# Altium PCB D车.PcbDoc (continued)
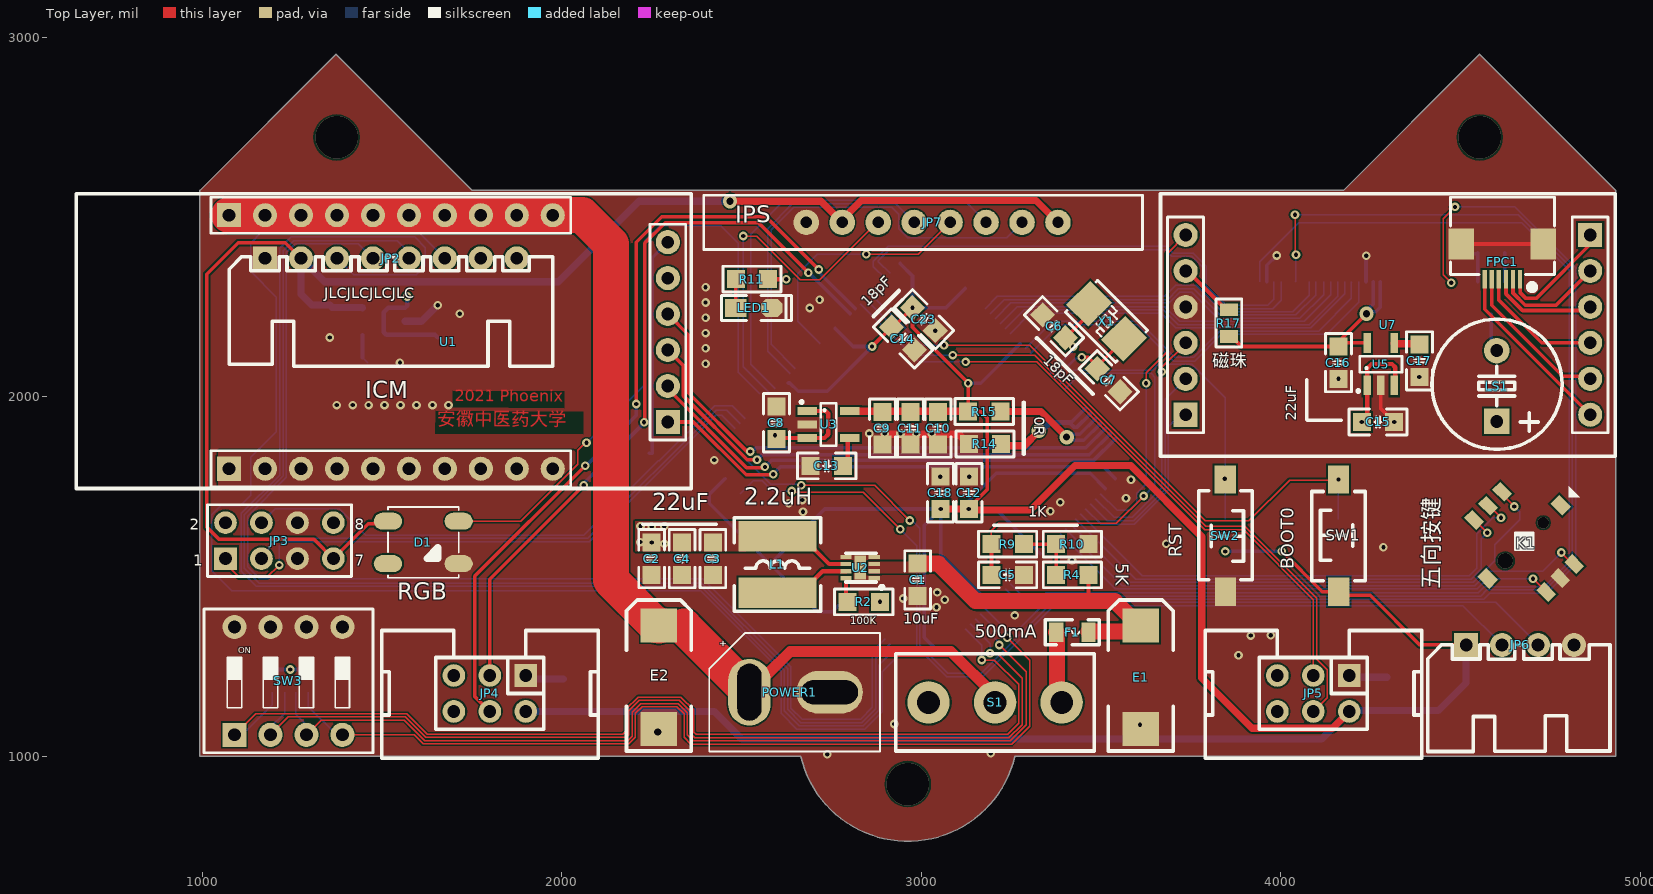
[diagram p0: Top Layer view]
## Part data
C1 C2 C3 C4 C5 C6 C7 C8 C9 C10 C11 C12 C13 C14 C15 C16 C17 C18 C19 C20 C21 C22 C23 C24: library part C, "贴片电容"
E1 E2: library part CT, "贴片钽电容"
F1: library part FU, "贴片保险丝"
JP2 JP7: library part "Header 8", "8P接插件"
  JP7: BOM名称=8P接, 学习资源=https://shop463601444.taobao., 版权归属=封装库来自淘
JP3: "4*2P接插件"
JP4 JP5: library part ENCODER
JP6: library part "Header 4", "4P接插件"
K1: "方向开关"
L1: library part L-SMD, "CD系列贴片线绕功率电感"
LED1: library part LED-SMD, "贴片LED"
LS1: library part BEEP, "蜂鸣器"
POWER1: library part T槽
Q1: library part 8050-SMD, "高频放大-NPN型"
R1 R3 R5 R6 R7 R8 R14 R15: library part RES, =0R
R2 R4 R9 R10 R11: "Resistor"
R12 R13 R17: library part R, "贴片电阻"
R16: library part R-8P4R, "贴片排阻"
S1: library part SSW-1P, "1路波动开关"
SW1 SW2: library part "TSW 3x6", "3x6轻触开关"
SW3: "4路编码开关"
U2: Manufacturer Name="Texas Instruments", Manufacturer Part Number=TPS62163DSGR, PackageReference=TPS62163DSGR
U4: "灵动的MM32F3277"
X1: library part XTAL-2P, "2脚无源脚晶振"
D1: PackageReference=RGB_LED_5050, Published=8-August-2017, Publisher=mazhongwei

## Via types
v1: diameter 24, hole 12, Top Layer to Bottom Layer, tented both sides, 116 vias
v2: diameter 40, hole 20, Top Layer to Bottom Layer, tented both sides, 5 vias
v3: diameter 118.11, hole 118.11, Top Layer to Bottom Layer, 3 vias
v4: diameter 43.31, hole 43.31, Top Layer to Bottom Layer, 1 vias
v5: diameter 31.5, hole 31.5, Top Layer to Bottom Layer, 1 vias

## Nets (pads, with @x,y where several pads share a name; then routed paths per layer and width w, separated by ;. In a path a pad name is that pad's centre, name@x,y a point inside that pad or via, vN(x,y) a via of type N, cw(c..) or ccw(c..) an arc to the next point about the centre after c; other vN are vias at no path point)
5V: C2.2 C3.2 C4.2 C8.2 C15.2 C19.2 L1.2 LS1.1 R2.1 R11.2 R16.5 R16.6 R16.7 R16.8 U1.5 U2.6 U3.1 U3.3 U5.1 U5.3 U6.1 U6.3 | length 1251.4
  Top Layer w12: R11.2 v1(2624.75,2327) ; v1(2593,1893) 2593,1892.2 2599.6,1885.6 U3.3 2730.6,1885.6 2741,1896 2741,1953.37 2733.97,1960.4 U3.1 ; L1.2 2665.94,1612.48 2743.58,1534.84 U2.6 ; v1(4225,1930) 4240.2,1945.2 U5.1 4240.2,2079.2 4252,2091 4309,2091 4318,2082 4318,2034.89 U5.3
  Bottom Layer w12: R16.5 R16.6 R16.7 R16.8 ; v1(1570,2279) 1570,2253.35 U6.1 1517.4,2247.4 1505,2235 1505,2179.63 1512.03,2172.6 U6.3 1647.4,2172.6 C19.2
  other v1: 1245,1241.5 2885,1430 2285,1591 2250,1595 2218,1596 2250,1639 2219,1640 2285,1640
ADC_IN1: U4.40 U7.1 | length 930.3
  Top Layer w4: v1(3625,2038) 3625,2067 3682,2124 3682,2397 U7.1
  Bottom Layer w4: U4.40 3544.66,1684 3578,1684 3599,1705 3599,1731.87 3625,1757.87 v1(3625,2038)
ADC_IN2: U4.41 U7.4 | length 674.6
  Top Layer w4: v1(3669,2070) 3669,2082 3735,2148 U7.4
  Bottom Layer w4: U4.41 3535.82,1665 3587,1665 3669,1747 v1(3669,2070) ; U7.4@3735,2146 U7.4
ADC_IN3: U4.42 U7.5 | length 593.7
  Bottom Layer w4: U4.42 3516.99,1656 3590.73,1656 3678,1743.27 3678,1993 U7.5
ADC_IN4: U4.43 U7.6 | length 527.2
  Bottom Layer w4: U4.43 3500.15,1645 3592.46,1645 3687,1739.54 3687,1917 3720,1950 U7.6
BOOT0: R1.1 SW1.2 U4.138 | length 1733.9
  Top Layer w4: v1(3063,2143) 3301,2143 3789,1655 3911,1655 4024,1768 4152.16,1768 4160,1760.16 v1(4160,1770)
  Bottom Layer w4: U4.138 3002.15,2143 v1(3063,2143) ; R1.1 v1(4160,1770)
Buzz: R12.2 U4.63 | length 3215
  Top Layer w4: v1(4474,2317) 4451,2340 4451,2495 v1(4484,2528)
  Bottom Layer w4: U4.63 3235.37,1353 3271,1353 3301.5,1383.5 3355,1437 4564,1437 4581,1454 4739.46,1454 4819.54,1534.08 4819.54,2358.92 4650.46,2528 v1(4484,2528) v1@4477,2521
Code1: R16.4 SW3.1 U4.67 | length 2927
  Top Layer w4: SW3.1 1149,1119 1569,1119 1626,1062 2169.69,1062 2177.69,1070 2177.69,1130.5 2212.19,1165 2331.18,1165 2367,1129.18 2367,1067.46 2373.46,1061 3239.82,1061 3271.06,1092.24 3271.06,1199.94 3203,1268 v1(3168,1268)
  Bottom Layer w4: SW3.1 1100.5,1049.5 1194.61,1143.61 R16.4 ; U4.67 3168,1309.01 v1(3168,1268)
Code2: R16.3 SW3.2 U4.66 | length 2796.6
  Top Layer w4: SW3.2 1240,1110 1565.27,1110 1622.27,1053 2179.27,1053 2186.69,1060.42 2186.69,1126.77 2215.92,1156 2327.46,1156 2358,1125.46 2358,1063.73 2369.73,1052 3243.54,1052 3280.06,1088.51 3280.06,1217.94 3211,1287 v1(3191,1287)
  Bottom Layer w4: SW3.2 1190,1081 1229.25,1120.25 R16.3 ; U4.66 3191,1313.85 v1(3191,1287)
Code3: R16.2 SW3.3 U4.65 | length 2706.3
  Top Layer w4: SW3.3 1331,1101 1561.54,1101 1618.54,1044 2183,1044 2195.69,1056.69 2195.69,1123.04 2219.65,1147 2323.73,1147 2349,1121.73 2349,1060 2366,1043 3247.27,1043 3292,1087.73 3292,1234.85 v1(3217,1309.85)
  Bottom Layer w4: R16.2 1260.75,1117.25 1290,1088 SW3.3 ; U4.65 3217,1315.69 v1(3217,1309.85)
Code4: R16.1 SW3.4 U4.64 | length 2646.3
  Top Layer w4: SW3.4 1589.82,1060 1614.82,1035 2187,1035 2204.69,1052.69 2204.69,1119.31 2223.38,1138 2320,1138 2340,1118 2340,1053 2359,1034 3251,1034 3301,1084 3301,1268 v1(3239,1330)
  Bottom Layer w4: R16.1 1295.39,1138.61 1374,1060 SW3.4 ; U4.64 3230.53,1330 v1(3239,1330)
D0: JP1.8 U4.10 | length 1014.8
  Bottom Layer w4: U4.10 3211.37,2279 3677,2279 3707.54,2309.54 3764.46,2309.54 3837.46,2236.54 4033.54,2236.54 4079.05,2282.05 JP1.8
D1: JP1.9 U4.11 | length 1024.3
  Bottom Layer w4: U4.11 3230.21,2270 3685.05,2270 3715.05,2300 3758,2300 3830.46,2227.54 4041.54,2227.54 4097,2283 4097,2318.26 JP1.9
D2: JP1.10 U4.12 | length 1035.5
  Bottom Layer w4: U4.12 3249.05,2261 3688.77,2261 3718.24,2290.46 3751.76,2290.46 3823.69,2218.54 4052.54,2218.54 4118.42,2284.42 JP1.10
D3: JP1.11 U4.13 | length 1022.6
  Bottom Layer w4: U4.13 3266.89,2251 3676.77,2251 3718.24,2209.54 4064.54,2209.54 4138.11,2283.11 JP1.11
D4: JP1.12 U4.14 | length 1036.1
  Bottom Layer w4: U4.14 3285.72,2242 3673.05,2242 3714.51,2200.54 4078.54,2200.54 4157.79,2279.79 JP1.12
D5: JP1.13 U4.15 | length 1042.7
  Bottom Layer w4: U4.15 3303.56,2232 3667,2232 3707.46,2191.54 4082.26,2191.54 4177.48,2286.75 JP1.13
D6: JP1.14 U4.18 | length 1094.4
  Bottom Layer w4: U4.18 3365.08,2210 3604,2210 3704.46,2109.54 3757.54,2109.54 3830.54,2182.54 4104.54,2182.54 4196,2274 4196,2318.84 JP1.14
D7: JP1.15 U4.19 | length 1114.1
  Bottom Layer w4: U4.19 3383.92,2201 3600.27,2201 3701.81,2099.46 3760.19,2099.46 3834.26,2173.54 4127.54,2173.54 4216.85,2262.85 JP1.15
Direction1: JP4.5 U4.135 | length 2254.4
  Top Layer w10: JP4.5 1758.5,1166.5 1758.5,1501.5 v1(2065,1808) ; v1(2207,1980) 2207,2430 2278,2501 2568,2501 v1(2715,2354)
  Bottom Layer w10: v1@2068,1809 2207,1948 v1(2207,1980) ; v1(2715,2354) 2717.68,2351.32 2717.68,2343.95 U4.135
Direction2: JP5.5 U4.137 | length 1943.2
  Top Layer w4: v1(3087,2116) 3315,2116 3791,1640 3898.73,1640 4099,1439.73 4099,1270.44 4128.5,1240.95 4128.5,1163.5 JP5.5
  Bottom Layer w4: U4.137 3001.31,2116 v1(3087,2116)
DVCC: C1.2 E1.1 F1.2 R4.2 U2.2 U2.3 | length 923.5
  Top Layer w10: 3453,1432 3465,1444 R4.2
  Top Layer w45: C1.2 3047,1536 3151,1432 3453,1432 3537.76,1432 3606.06,1363.7 E1.1 3593.8,1347.5 3465,1347.5 F1.2
Encoder_Count1: JP4.2 U4.134 | length 2070.9
  Top Layer w10: JP4.2 1800,1493 v1(2061,1754) ; v1(2229,1929) 2231,1931 2231,2427.47 2287.53,2484 2547,2484 v1(2686,2345)
  Bottom Layer w10: v1@2064,1762 2229,1927 v1(2229,1929) ; v1(2686,2345) 2687.77,2345 2801.19,2231.57 U4.134
Encoder_Count2: JP5.2 U4.136 | length 1812
  Top Layer w4: v1(3123,2097) 3321.27,2097 3788.27,1630 3896,1630 4090,1436 JP5.2
  Bottom Layer w4: U4.136 2992.47,2097 v1(3123,2097)
GND: C1.1 C2.1 C3.1 C4.1 C5.1 C6.1 C7.1 C8.1 C9.1 C10.1 C11.1 C12.1 C13.1 C14.2 C15.1 C16.1 C17.1 C18.1 C19.1 C20.1 C21.1 C22.1 C23.1 C24.1 D1.1 E1.2 E2.2 FPC1.0 JP1.0 JP1.2 JP1.7 JP1.16 JP2.1 JP3.5 JP3.6 JP4.1 JP5.1 JP6.4 JP7.1 K1.5 LED1.2 POWER1.2 Q1.2 R1.2 R5.2 R6.2 R7.2 R8.2 R10.1 R13.1 R14.2 SW2.2 SW3.5 SW3.6 SW3.7 SW3.8 U2.1 U2.4 U2.5 U2.9 U3.2 U4.16 U4.38 U4.51 U4.61 U4.71 U4.83 U4.94 U4.107 U4.120 U4.130 U4.143 U5.2 U6.2 U7.3 | length 1156.5
  Top Layer w10: U5.2 4277.6,1967.4 v1(4315,1930) ; FPC1.0@4501.65,2425 FPC1.0@4730,2425
  Top Layer w20: v1@2895,1896 3104,1896 3131.5,1868.5 R14.2
  Bottom Layer w10: JP1.2 3960.94,2365.94 v1(3988,2393) ; JP1.16 4236.53,2391.53 v1(4237,2392) ; Q1.2 R13.1
  Bottom Layer w20: U6.2 1610,2210 v1(1655,2255) ; JP4.1 1910,1215 C21.1 ; JP5.1 4195,1220 C24.1
  other v1: 2738,1006 3193,1009 3608,1088 2925,1090 3882,1281 3916,1336 3972,1337 3260,1392 3042,1415 3065,1436 2950,1439 3044,1456 3419,1545 4285,1582 3681,1591 2671,1680 3359,1682 2631,1704 3386,1707 2669,1713 3569,1718 3583,1769 3053,1778 3133,1778 2424,1824 2855,1898 2898.5,1898 2942,1898 2985.5,1898 3029,1898 1374,1977 1418.43,1977 1462.86,1977 1507.29,1977 1551.71,1977 1596.14,1977 1640.57,1977 1685,1977 4160,2050 4385,2055 2400,2092 1550,2095 2400,2134.6 1355,2165 2400,2177.2 3039,2184 2400,2219.8 1716,2231 2690,2247 2400,2262.4 2717,2270 2400,2305
  other v2: 2267,1068
ICM_CS: JP2.6 U4.73 | length 3947.5
  Bottom Layer w4: JP2.6 1602,2458 1165,2458 1134.54,2427.54 1134.54,2348.64 1206.46,2276.71 1206.46,1903.46 1134.54,1831.54 1134.54,1725.54 1106,1697 1052,1697 1026.5,1671.5 1026.5,1515.6 1081.84,1460.27 2386.13,1460.27 2610,1236.4 2610,1120 2654,1076 2842.18,1076 2891,1124.82 2891,1234.82 U4.73
ICM_SCL: JP2.3 U4.74 | length 3924.7
  Bottom Layer w4: JP2.3 1421,2339 1595,2339 1621,2365 1621,2415 1591,2445 1248,2445 1215.46,2412.46 1215.46,1782.46 1108.5,1675.5 1108.5,1514.5 1150,1473 2386.13,1473 2619,1240.13 2619,1127 2661,1085 2838.46,1085 2882,1128.54 2882,1253.66 U4.74
ICM_SDI: JP2.4 U4.76 | length 3385.9
  Bottom Layer w4: JP2.4 1434.54,2425.46 1258.24,2425.46 1234.54,2401.76 1234.54,1776.08 1126.5,1668.05 1126.5,1527.5 1160,1494 2392,1494 2637,1249 2637,1134.46 2668.46,1103 2831,1103 2864,1136 2864,1291.34 U4.76
ICM_SDO: JP2.5 U4.75 | length 3531.6
  Bottom Layer w4: JP2.5 1575,2402 1542.54,2434.46 1254.51,2434.46 1225.54,2405.49 1225.54,1779.81 1117.5,1671.78 1117.5,1523.77 1159.27,1482 2389.86,1482 2628,1243.86 2628,1130.73 2664.73,1094 2834.73,1094 2873,1132.27 2873,1272.5 U4.75
key1: K1.2 U4.44 | length 1413.4
  Top Layer w4: K1.2 4579.2,1696.8 v1(4612,1664)
  Bottom Layer w4: U4.44 3614.31,1503 4524,1503 4544,1523 4544,1618.87 4589.13,1664 v1(4612,1664)
key2: K1.3 U4.45 | length 1369.5
  Top Layer w4: K1.3 4538.18,1657.82 v1(4574,1622)
  Bottom Layer w4: U4.45 3596.39,1493.08 4528.92,1493.08 4557,1521.16 4557,1605 v1(4574,1622)
key3: K1.4 U4.48 | length 1441.6
  Top Layer w4: v1(4701,1494) 4737.82,1457.18 K1.4
  Bottom Layer w4: U4.48 3539.87,1466.08 4546.08,1466.08 4574,1494 v1(4701,1494)
key4: K1.6 U4.47 | length 1532
  Top Layer w4: v1(4780,1567) 4812.05,1534.95 K1.6
  Bottom Layer w4: U4.47 3558.71,1475.08 4538.81,1475.08 4578.79,1515.06 4728.06,1515.06 v1(4780,1567)
key5: K1.1 U4.46 | length 1513.5
  Top Layer w4: K1.1 4614.95,1729.05 v1(4649,1695)
  Bottom Layer w4: U4.46 3577.55,1484.08 4535.08,1484.08 4595.06,1544.06 4595.06,1589.06 4664,1658 4664,1680 v1(4649,1695)
M3V3: C9.2 C10.2 C11.2 C12.2 C14.1 C18.2 C21.2 C23.2 C24.2 JP4.6 JP5.6 JP6.1 R3.1 R15.2 SW1.1 U3.5 U4.6 U4.17 U4.39 U4.52 U4.62 U4.72 U4.84 U4.95 U4.108 U4.121 U4.131 U4.144 | length 10026.7
  Top Layer w10: v1(2863,2140) 2916.82,2193.82 C14.1 2921.54,2193.82 v1(2975.36,2247.64) 2975.36,2193.64 3130,2039 R15.2 3165,1959 3183,1941 3183,1742 C12.2@3140,1699 ; C12.2 C12.2@3136,1685 ; v1(4002,1571) 4115.31,1457.69 SW1.1 4160.79,1447.84 4248.16,1447.84 4386,1310 JP6.1
  Top Layer w20: U3.5 2801.76,1959.7 3129.3,1959.7 R15.2 ; C18.2@3053,1687 v1(3054,1688) C12.2 ; C12.2@3136,1685 3303.28,1685 3427,1808.72 3582.28,1808.72 3780,1611 3780,1218 3919.5,1078.5 4143.5,1078.5 JP5.6
  Bottom Layer w10: U4.108 2410,1728.18 2410,1704 2581,1533 ; U4.121@2629.47,2038.47 2634,2038.47 2657.47,2015 2738,2015 v1(2863,2140) 2810.27,2140 U4.131 ; U4.84 2751.95,1402 2712,1402 2581,1533 ; U4.144 2941.41,2369.75 2975.36,2335.8 v1(2975.36,2247.64) 3068.65,2247.64 U4.6 ; U4.72 3052.59,1286.25 3008,1330.84 3008,1642 v1(3054,1688) ; v1(3130,2038) 3165.24,2038 U4.17 ; U4.62 3054,1562.21 v1(3054,1688) ; U4.52 3206.6,1688 v1(3132,1688) 3132,1711 3208,1787 3469.5,1787 U4.39 ; v1(3845,1570) 4001,1570 v1(4002,1571) ; 2581,1533 2581,1536.25 2635.18,1590.44 U4.95 2731.73,1688 v1(3054,1688)
  Bottom Layer w20: JP4.6 C21.2 2424,1125 2501,1048 4113,1048 JP5.6 4192.5,1127.5 4438.5,1127.5 4515,1204 JP6.1
MOTO1: U1.1 U4.37 | length 1329.1
  Top Layer w10: U1.1 2365.79,1930 2512.79,1783 2586,1783 v1(2588,1785)
  Bottom Layer w10: v1(2588,1785) 2609,1806 3506.18,1806 U4.37
MOTO2: U1.2 U4.36 | length 1376.9
  Top Layer w10: U1.2 2295,2022 2514,1803 2563,1803 v1(2565,1805)
  Bottom Layer w10: v1(2565,1805) 2584,1824 3480.18,1824 U4.36
MOTO3: U1.3 U4.35 | length 1436.5
  Top Layer w10: U1.3 2338.46,2086.54 2338.46,2002.42 2515.89,1825 v1(2543,1825)
  Bottom Layer w10: v1(2543,1825) 2557,1839 2577.79,1839 3467.34,1839 U4.35
MOTO4: U1.4 U4.34 | length 1496.3
  Top Layer w10: U1.4 2353.46,2171.54 2353.46,2009.54 2515,1848 v1(2524,1848)
  Bottom Layer w10: v1(2524,1848) 2530,1848 2540,1858 3457.48,1858 3510.91,1911.43 U4.34
NetC13_2: C13.2 U3.4 | length 85.5
  Top Layer w12: C13.2 2795,1821 2795,1879.54 U3.4
NetC17_2: C17.2 U5.4 | length 73.1
  Top Layer w20: U5.4 4315,2148.33 4315.83,2147.5 4382.5,2147.5 C17.2
NetC22_2: C22.2 U6.4 | length 83.4
  Bottom Layer w4: C22.2@1445.94,2109.06 C22.2
  Bottom Layer w10: C22.2@1445.94,2109.06 U6.4
NetF1_1: F1.1 S1.1 | length 201.2
  Top Layer w45: F1.1 3377.5,1342.5 3377.5,1162.54 S1.1
NetFPC1_1: FPC1.1 U7.12 | length 337.4
  Top Layer w10: FPC1.1 4665.04,2290.17 4681.61,2273.61 4709.61,2273.61 4873,2437 U7.12
NetFPC1_2: FPC1.2 U7.11 | length 306
  Top Layer w10: FPC1.2 4645.35,2288.65 4679,2255 4765,2255 U7.11
NetFPC1_3: FPC1.3 U7.10 | length 298
  Top Layer w10: FPC1.3 4625.9,2326.46 4625.9,2286.1 4672,2240 4850,2240 U7.10
NetFPC1_4: FPC1.4 U7.9 | length 360.9
  Top Layer w10: FPC1.4 4605.98,2269.23 4725.21,2150 U7.9
NetFPC1_5: FPC1.5 U7.8 | length 430.5
  Top Layer w10: FPC1.5 4586.3,2254.7 4784,2057 4853,2057 U7.8
NetFPC1_6: FPC1.6 U7.7 | length 498.2
  Top Layer w10: FPC1.6 4566.61,2243.39 U7.7
NetL1_1: L1.1 U2.7 | length 215.5
  Top Layer w12: L1.1 2665.94,1455 2726.1,1515.16 U2.7
NetLED1_1: LED1.1 R11.1 | length 80
  Top Layer w10: LED1.1 R11.1
NetLS1_2: LS1.2 Q1.3 | length 107.8
  Bottom Layer w10: Q1.3 4585,2143.43 LS1.2
NetQ1_1: Q1.1 R12.1 R13.2 | length 153.7
  Bottom Layer w10: R12.1 4545.01,2397.4 R13.2 Q1.1
NetR2_2: R2.2 U2.8 | length 67.3
  Top Layer w10: U2.8 2790.54,1434.46 R2.2
NetR4_1: R4.1 R9.2 R10.2 | length 175
  Top Layer w10: R9.2 R10.2 R4.1
NetR14_1: R14.1 U4.30 U4.31 | length 446
  Top Layer w20: R14.1 3227,1864 3286,1864 v2(3327,1905)
  Bottom Layer w10: 3414.43,1930.86 3352.86,1930.86 v2(3327,1905) 3338,1905 3359,1926 3414.43,1926 3424.56,1915.86 3432.85,1915.86 U4.31 ; 3418.99,1930.86 3455.23,1967.11 U4.30
NetR15_1: R15.1 U4.32 U4.33 | length 431.7
  Top Layer w20: R15.1 3333,1959 v2(3404,1888)
  Bottom Layer w10: v2(3404,1888) 3404,1891 v2@3409,1896 ; U4.32 3440.82,1896 v2@3409,1896 ; U4.33 3451.66,1879 3426,1879 v2@3409,1896
NetR17_2: R17.2 U7.2 | length 164.6
  Top Layer w12: U7.2 3739.9,2350 3847.5,2242.4 R17.2
nRST: R3.2 SW2.1 U4.25 | length 856.5
  Bottom Layer w4: U4.25 3423.95,2074 3643,2074 3659.46,2090.46 3751.76,2090.46 3845,1997.23 R3.2
  other v1: 3844,1772
OLED_CS: JP7.7 U4.123 | length 1213.9
  Bottom Layer w4: U4.123 2582,2145.56 2582,2464.27 2645.16,2527.43 2917.57,2527.43 2937.57,2507.43 2937.57,2467.42 2962.42,2442.57 3237.57,2442.57 JP7.7
OLED_DC: JP7.6 U4.119 | length 1176.8
  Bottom Layer w4: U4.119 2525,2091.21 2525,2452 2619,2546 3119,2546 JP7.6
OLED_RES: JP7.5 U4.128 | length 702.2
  Top Layer w4: v1(2847,2396) 2991,2396 JP7.5
  Bottom Layer w4: U4.128 2657,2209.76 2657,2342.87 2710.13,2396 v1(2847,2396)
OLED_SCL: JP7.3 U4.118 | length 960
  Top Layer w4: v1(2505,2447) 2541.64,2447 2662.64,2326 2718,2326 2877,2485 JP7.3
  Bottom Layer w4: v1(2505,2447) 2505,2083.37 U4.118
OLED_SDA: JP7.4 U4.122 | length 885.9
  Bottom Layer w4: U4.122 2573,2126.72 2573,2468 2641.43,2536.43 2928.57,2536.43 JP7.4
OSC_IN: C6.2 U4.23 X1.1 | length 256.2
  Top Layer w10: v1(3422,2139) 3422,2142 3400.82,2163.18 C6.2 3466.28,2229.64 X1.1
  Bottom Layer w6: U4.23 3358.82,2064.68 3422,2127.86 v1(3422,2139)
OSC_OUT: C7.2 U4.24 X1.2 | length 255.5
  Top Layer w10: v1(3446,2110) 3463.92,2110 3489.18,2084.74 X1.2@3562.72,2158.28
  Bottom Layer w6: U4.24 3428.67,2106.56 3442.56,2106.56 v1(3446,2110)
P3V3: C20.2 D1.3 JP2.2 JP3.7 JP7.2 JP7.8 U6.5 | length 4194.7
  Top Layer w10: JP2.2 1231.54,2428.46 1100.46,2428.46 1013,2341 1013,1638 1046.93,1604.07 1310.93,1604.07 JP3.7 1462.2,1647.2 1509.72,1647.2 D1.3
  Top Layer w20: v2(2468,2544) 2721,2544 JP7.2 2780,2493 2833,2546 3319,2546 JP7.8
  Bottom Layer w20: U6.5 1445.12,2248.23 1361.77,2248.23 C20.2 1305,2255 1275,2285 JP2.2 1340,2320 1991,2320 2215,2544 v2(2468,2544) v2@2469,2545
PCLK_OUT: JP1.1 U4.58 | length 3451.2
  Bottom Layer w4: U4.58 3302.84,1424.73 3316.27,1424.73 3347.32,1455.77 4548.5,1455.77 4564.73,1472 4732,1472 4801.54,1541.54 4801.54,2351.46 4669,2484 4049.34,2484 3941.26,2375.92 JP1.1
PGND: R5.1 R6.1 R7.1 R8.1 U1.6 U1.8 | length 612.5
  Bottom Layer w10: R6.1 2251.54,1842.82 2251.54,2386.54 U1.6
POWER_IN: C5.2 R9.1 U4.26 | length 1199.7
  Top Layer w4: R9.1 3195,1628 3215,1648 3542,1648 v1(3618,1724)
  Top Layer w10: C5.2 R9.1
  Bottom Layer w4: U4.26 3442.79,2065 3639,2065 3649,2055 3649,1755 v1(3618,1724)
RGBLED: D1.2 U4.117 | length 1834.8
  Top Layer w4: D1.2 1886.28,1654.06 2045,1812.77 2045,1851 v1@2066,1872
  Bottom Layer w4: v1(2069,1872) 2231,2034 2231,2434 2273.34,2476.34 2441.66,2476.34 2491,2427 2491,2068 U4.117@2550,2009
RTS: JP3.4 U4.113 | length 1555.2
  Bottom Layer w4: JP3.4 1203.5,1688.5 1380.95,1688.5 1454.44,1615 2061.62,1615 2268.31,1821.69 2271.69,1821.69 2425,1975 2474.18,1975 U4.113
RX: JP3.3 U4.112 | length 1521.2
  Bottom Layer w4: JP3.3 1165,1556.01 1214.99,1606 2072.27,1606 2429.27,1963 2458.34,1963 U4.112
RXD: JP1.4 U4.142 | length 1343.5
  Bottom Layer w4: U4.142 2880.32,2376.18 2880.32,2378.04 2911.3,2409.02 3677.98,2409.02 3696.54,2390.46 3752.54,2390.46 3783.84,2359.16 3783.84,2302.88 3841.19,2245.54 3977.54,2245.54 4000.31,2268.31 JP1.4
S3V3: C16.2 JP1.17 JP1.18 R17.1 U5.5 | length 737
  Top Layer w10: R17.1 3862.5,2167.6 3890.1,2140 C16.2 ; v2(4238,2231) 4160,2153 C16.2 ; U5.5 4170,2150 C16.2
  Bottom Layer w10: JP1.17 4256.22,2257.34 4238,2239.12 v2(4238,2231) 4243.74,2236.74 4263.74,2236.74 4275.9,2248.9 JP1.18
SWCLK: JP6.3 U4.109 | length 2850.2
  Top Layer w4: v1(2666,1754) 2870,1754 v1(2968,1656)
  Bottom Layer w4: U4.109 2580.82,1757 2663,1757 v1(2666,1754) ; v1@2971,1659 2996,1634 2996,1309 3074,1231 3167.27,1231 3364.27,1428 4597,1428 JP6.3
SWDIO: JP6.2 U4.105 | length 2651
  Top Layer w4: v1(2640,1738) 2643,1735 2838,1735 v1(2941,1632)
  Bottom Layer w4: U4.105 2532.34,1767 2558.09,1767 2587.09,1738 v1(2640,1738) ; v1(2941,1632) 2987,1586 2987,1305.27 3070.27,1222 3171,1222 3368,1419 4506,1419 JP6.2
TX: JP3.1 U4.111 | length 1680.2
  Top Layer w4: JP3.1 1065,1536 1103,1498 1180,1498 v1(1214,1532)
  Bottom Layer w4: v1(1214,1532) 1214,1585 1226,1597 2076,1597 2428,1949 2444.5,1949 U4.111
TXD: JP1.3 U4.141 | length 1347.5
  Bottom Layer w4: U4.141 2866.4,2362.26 2866.4,2376.85 2907.57,2418.02 3681.71,2418.02 3700.26,2399.46 3756.26,2399.46 3792.84,2362.88 3792.84,2309.16 3847.46,2254.54 3963.54,2254.54 3980.63,2271.63 JP1.3
VBAT: E2.1 POWER1.1 S1.2 U1.7 | length 3279.9
  Top Layer w30: POWER1.1 2522,1188.12 2562.7,1228.82 2572.32,1228.82 2635.5,1292 3082,1292 3205,1169 S1.2
  Top Layer w100: U1.7@1075,2505 1175,2505 1275,2505 1375,2505 1475,2505 1575,2505 1675,2505 1775,2505 1875,2505 1975,2505 2057,2505 2136.61,2425.39 2136.61,1490.61 2261.94,1365.28 2270,1365.28 E2.1 ; 2339.56,1360.94 POWER1.1
VSYNC: JP1.6 U4.59 | length 3490.3
  Top Layer w4: v1(4039,2506) 4040.5,2504.5 4040.5,2396.5 v1(4042,2395)
  Bottom Layer w4: U4.59 3286.73,1413 3317.27,1413 3350.27,1446 4555,1446 4572,1463 4735.73,1463 4810.54,1537.81 4810.54,2355.19 4790.73,2375 4659.73,2506 v1(4039,2506) ; JP1.6 4040.84,2321.16 4040.84,2393.84 v1(4042,2395)
pads on no net: D1.4 JP1.5 JP2.7 JP2.8 JP3.2 JP3.8 JP4.3 JP4.4 JP5.3 JP5.4 K1.0 S1.3 U4.1 U4.2 U4.3 U4.4 U4.5 U4.7 U4.8 U4.9 U4.20 U4.21 U4.22 U4.27 U4.28 U4.29 U4.49 U4.50 U4.53 U4.54 U4.55 U4.56 U4.57 U4.60 U4.68 U4.69 U4.70 U4.77 U4.78 U4.79 U4.80 U4.81 U4.82 U4.85 U4.86 U4.87 U4.88 U4.89 U4.90 U4.91 U4.92 U4.93 U4.96 U4.97 U4.98 U4.99 U4.100 U4.101 U4.102 U4.103 U4.104 U4.106 U4.110 U4.114 U4.115 U4.116 U4.124 U4.125 U4.126 U4.127 U4.129 U4.132 U4.133 U4.139 U4.140
copper on no net:
  other v3: 2962.5,923 1374,2721.15 4553,2721.15
  other v4: 4623.72,1543.72
  other v5: 4729.51,1649.51

## Polygon pours and split planes (outlines as drawn)
GND on Top Layer "Top Layer-GND" (solid, pour order 32): 994,1000 994,2574 1372.5,2952.5 1751,2574 4174,2574 4552.5,2952.5 4931,2574 4931,1000 3260,1000 cw(c2962.5,1069.28) 2665,1000
PGND on Top Layer "Top Layer-PGND" (solid, pour order 26): 1045,1850.01 1045,1752 1982,1752 2042.77,1812.77 2045,1812.77 2045,1851
5V on Top Layer "Top Layer-5V" (solid, pour order 16): 2512,1654.5 2204,1654.5 2204,1571 2512,1571
DVCC on Top Layer "Top Layer-DVCC" (solid, pour order 14): 2852,1541 2852,1510 3010,1510 3010,1541
GND on Bottom Layer "Bottom Layer-GND" (solid, remove dead copper, pour order 34): 994,1000 994,2574 1372.5,2952.5 1751,2574 4174,2574 4552.5,2952.5 4931,2574 4931,1000 3260,1000 cw(c2962.5,1069.28) 2665,1000
PGND on Bottom Layer "Bottom Layer-PGND" (solid, remove dead copper, pour order 18): 1029,1853 1029,1619 2075,1619 2305.17,1849.17
GND on Bottom Layer "Bottom Layer-GND 1" (solid, pour order 24): 1708,1594 1708,1498 2405,1498 2644,1259 2644,1147 2681,1110 2838,1110 2864,1136 2864,1296 2767,1393 2698.5,1405.5 2666,1438 2352,1752 2352,1780 2312,1820 2084,1592 2065,1592
VBAT on Bottom Layer "Bottom Layer-VBAT" (solid, pour order 22): 1026,2563 1025,2562 1025,2456 2027,2456 2028,2457 2027,2458 2027,2565
GND on 02 GND (split plane): 1736.79,2559.79 1739.83,2557.29 1743.31,2555.43 1747.08,2554.29 1751,2553.9 4174,2553.9 4177.92,2554.29 4181.69,2555.43 4185.17,2557.29 4188.21,2559.79 4552.5,2924.08 4910.9,2565.68 4910.9,1020.1 3260,1020.1 3256.08,1019.71 3252.31,1018.57 3248.83,1016.71 3245.79,1014.21 3243.29,1011.17 3241.43,1007.69 3240.48,1004.55 3240.43,1004.56 3238.23,995.4 3233.99,981.07 3229,966.98 3223.28,953.17 3216.84,939.68 3209.71,926.55 3201.91,913.81 3193.44,901.49 3184.34,889.64 3174.64,878.27 3164.35,867.43 3153.51,857.14 3142.14,847.44 3130.29,838.34 3117.97,829.87 3105.23,822.07 3092.1,814.93 3078.61,808.5 3064.8,802.78 3050.71,797.79 3036.38,793.55 3021.85,790.06 3007.16,787.34 2992.34,785.39 2977.44,784.21 2962.5,783.82 2947.56,784.21 2932.66,785.39 2917.84,787.34 2903.15,790.06 2888.62,793.55 2874.29,797.79 2860.2,802.78 2846.39,808.5 2832.9,814.93 2819.77,822.07 2807.03,829.87 2794.71,838.34 2782.86,847.44 2771.49,857.14 2760.65,867.43 2750.36,878.27 2740.66,889.64 2731.56,901.49 2723.09,913.81 2715.29,926.55 2708.16,939.68 2701.72,953.17 2696,966.98 2691.01,981.07 2686.77,995.4 2684.57,1004.56 2684.52,1004.55 2683.57,1007.69 2681.71,1011.17 2679.21,1014.21 2676.17,1016.71 2672.69,1018.57 2668.92,1019.71 2665,1020.1 2320.08,1020.1 2319.71,1021.95 2318.6,1023.6 2316.95,1024.71 2315,1025.1 2035,1025.1 2033.05,1024.71 2031.4,1023.6 2030.29,1021.95 2029.92,1020.1 1014.1,1020.1 1014.1,2565.68 1372.5,2924.08
5V on 03 VCC (split plane): 1736.79,2559.79 1739.83,2557.29 1743.31,2555.43 1747.08,2554.29 1751,2553.9 4174,2553.9 4177.92,2554.29 4181.69,2555.43 4185.17,2557.29 4188.21,2559.79 4552.5,2924.08 4910.9,2565.68 4910.9,1020.1 3260,1020.1 3256.08,1019.71 3252.31,1018.57 3248.83,1016.71 3245.79,1014.21 3243.29,1011.17 3241.43,1007.69 3240.48,1004.55 3240.43,1004.56 3238.23,995.4 3233.99,981.07 3229,966.98 3223.28,953.17 3216.84,939.68 3209.71,926.55 3201.91,913.81 3193.44,901.49 3184.34,889.64 3174.64,878.27 3164.35,867.43 3153.51,857.14 3142.14,847.44 3130.29,838.34 3117.97,829.87 3105.23,822.07 3092.1,814.93 3078.61,808.5 3064.8,802.78 3050.71,797.79 3036.38,793.55 3021.85,790.06 3007.16,787.34 2992.34,785.39 2977.44,784.21 2962.5,783.82 2947.56,784.21 2932.66,785.39 2917.84,787.34 2903.15,790.06 2888.62,793.55 2874.29,797.79 2860.2,802.78 2846.39,808.5 2832.9,814.93 2819.77,822.07 2807.03,829.87 2794.71,838.34 2782.86,847.44 2771.49,857.14 2760.65,867.43 2750.36,878.27 2740.66,889.64 2731.56,901.49 2723.09,913.81 2715.29,926.55 2708.16,939.68 2701.72,953.17 2696,966.98 2691.01,981.07 2686.77,995.4 2684.57,1004.56 2684.52,1004.55 2683.57,1007.69 2681.71,1011.17 2679.21,1014.21 2676.17,1016.71 2672.69,1018.57 2668.92,1019.71 2665,1020.1 2635.08,1020.1 2634.71,1021.95 2633.6,1023.6 2631.95,1024.71 2630,1025.1 2628.05,1024.71 2626.4,1023.6 2622.89,1020.1 1014.1,1020.1 1014.1,2565.68 1372.5,2924.08

## Other copper
Top Layer:
  text "2021 Phoenix" at 1702,1976 h55 r359.71
  text "安徽中医药大学" at 1654,1908 h65 r359.71
Bottom Layer:
  pour cut-out: 2833,1296
  pour cut-out: 2708.1,1392.58 2759.68,1392.58 2772.51,1405.41 2862.14,1315.79 2862.14,1270.14 2852,1260
  pour cut-out: 2332,1841 2418.32,1754.68 2418.32,1750.92 2402.79,1735.39 2318.18,1820 2312,1820
  pour cut-out: 1162,1521 1228.96,1587.96 1228.96,1589.86 1386.86,1589.86 1387,1590 1401,1576 1401,1502 1162.09,1502 1154.32,1509.78
02 GND (plane layer: these items are gaps in the copper):
  lines w10: 2035,1020 2315,1020
03 VCC (plane layer: these items are gaps in the copper):
  lines w10: 2615.1,1005.1 2630,1020

## Silkscreen, mask and mechanical layers (free items; w line width, h text height)
Top Overlay:
  lines w10: 2226,1646 2429,1646 ; 3201,1643 3434,1643 ; 4072,2047 4072,1936 4073,1935 4168,1935
  lines w12: 2867,2224 2938,2295 ; 3285,1841 3285,1984 ; 3321,2163 3323.5,2160.5 3324.5,2160.5 3477,2008
  text "IPS" at 2483,2469 h80
  text "JLCJLCJLCJLC" at 1339,2265 h50
  text "18pF" at 2857,2242 h50 r45
  text "18pF" at 3329,2092 h50 r315
  text "磁珠" at 3809,2071 h60
  text "ICM" at 1453,1981 h80
  text "0R" at 3304,1944 h50 r270
  text "22uF" at 4053,1934 h50 r90
  text "2.2uH" at 2508,1685 h80
  text "22uF" at 2252,1669 h80
  text "1K" at 3297,1657 h50
  text "RST" at 3737,1554 h60 r90
  text "5K" at 3528,1537 h60 r270
  text "BOOT0" at 4048,1521 h60 r90
  text "五向按键" at 4455,1465 h80 r90
  text "RGB" at 1542,1420 h80
  text "100K" at 2803,1361 h35
  text "10uF" at 2950,1359 h50
  text "500mA" at 3148,1317 h60
Bottom Overlay:
  drawing of 5341 lines, arcs and shapes, not listed
  text "10K" at 4625,2453 h50
  text "22uF" at 1714,2306 h60
  text "22uF" at 1414,2300 h60
  text "1K" at 4502,2247 h50
  text "0R" at 2014,1718 h60 r45
  text "10K" at 4052,1599 h60
Top Solder:
  text "2021 Phoenix" at 1702,1976 h55 r359.71
  text "安徽中医药大学" at 1654,1908 h65 r359.71
Mechanical 1:
  the board outline again, w10
Mechanical 15:
  lines w0.1: 3199,986.8 3201,988.8

## Text inside footprints (layer, text, board x,y; h text height)
JP3: Top Overlay "7" at 1425,1530 h30; Top Overlay "2" at 965,1630 h30; Top Overlay "1" at 975,1530 h30; Top Overlay "8" at 1425,1630 h30
POWER1: Top Overlay "+" at 2465,1303.5 h30 r90
SW3: Top Overlay "ON" at 1100,1280 h30